# Altium PCB PCB1.PcbDoc
Units mm, origin at the board's own origin, x right, y up, seen from the top; angles counter-clockwise.
Board outline 189.3 x 96.6 mm, 2 copper layers (Top Layer, Bottom Layer), stack 1.569 mm thick; 62 components, 42 nets, 192 pads, 0 vias.
Unrouted connection lines stored in the file: 62.
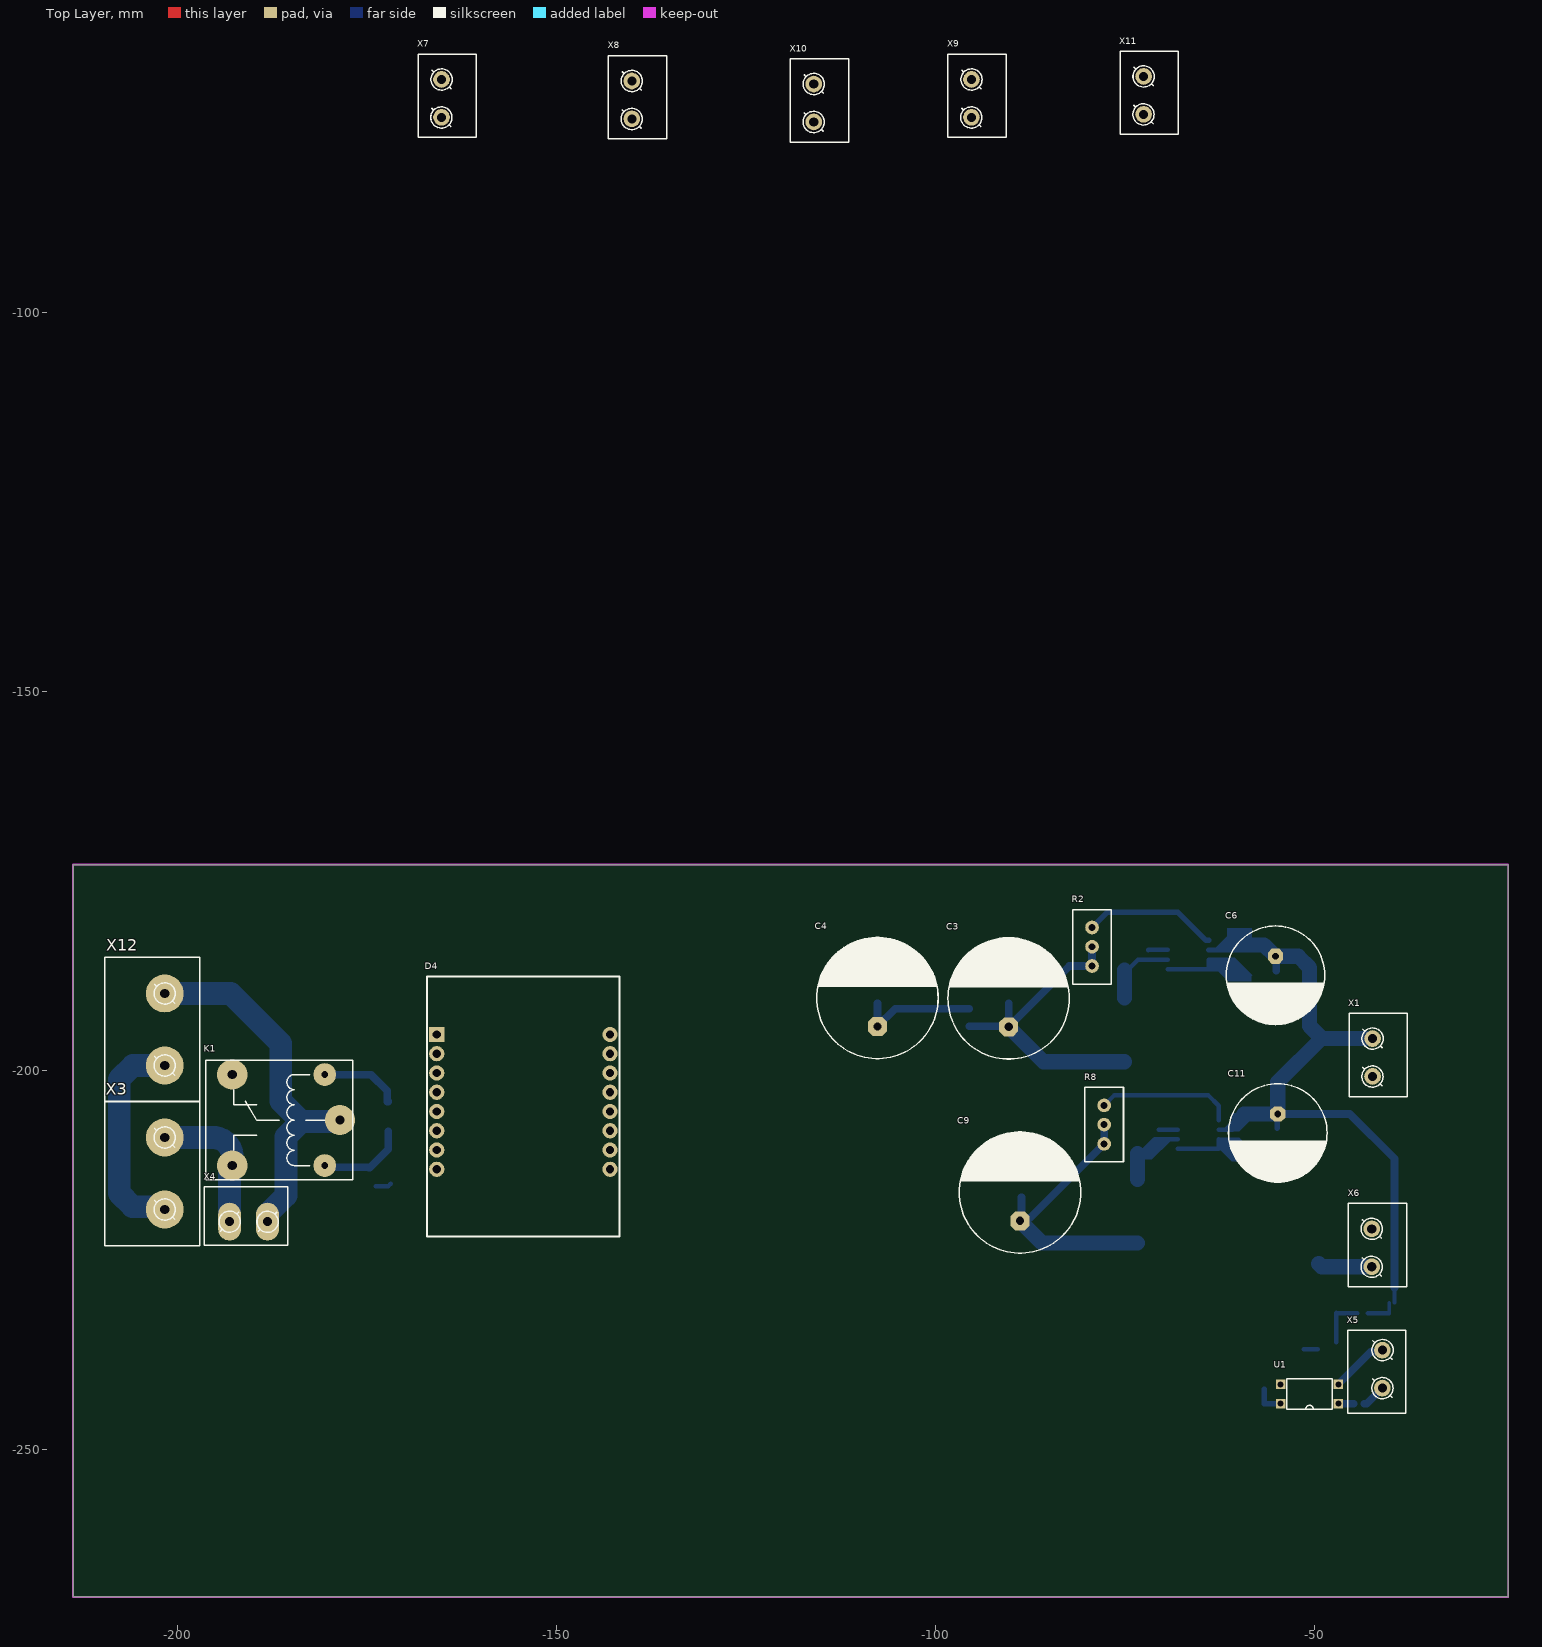
[diagram p0: Top Layer view]
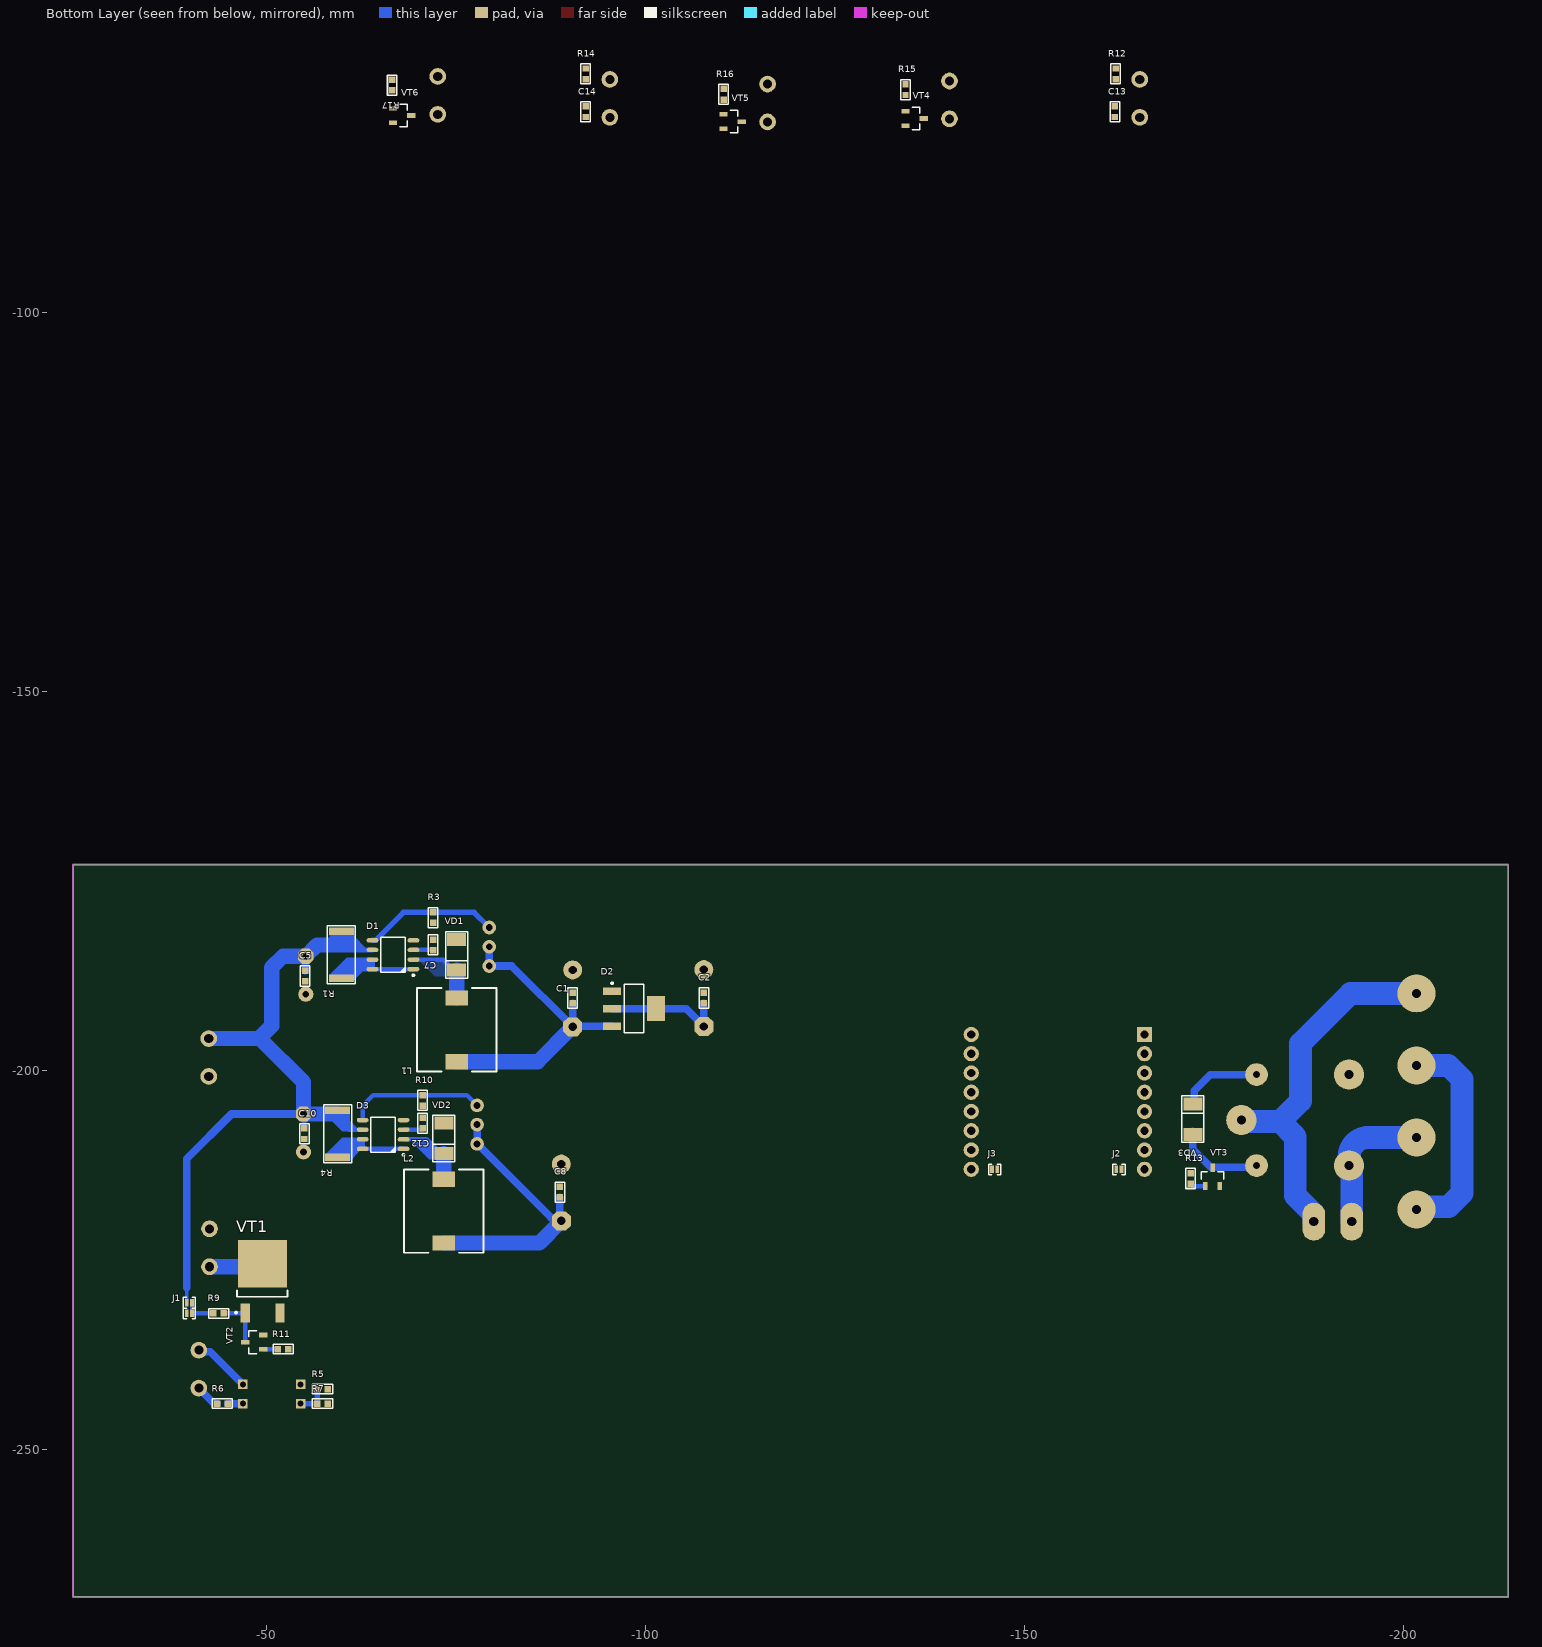
[diagram p1: Bottom Layer view, seen from below]

## Layer stack, top to bottom
Top Solder: solder mask 0.0254, SM-001, Dk 4
Top Layer: signal copper 0.035
Dielectric 1: core 1.4986, Core-043, Dk 4.3
Bottom Layer: signal copper 0.035
Bottom Solder: solder mask 0.0254, SM-001, Dk 4

## Board outline
-213.8,-269.4 -213.8,-172.8 -24.5,-172.8 -24.5,-269.4

## Design rules (kind name [scope] priority, off if disabled: settings)
BoardOutlineClearance [All] p1: gap=0.3 ignorepadtopadclearanceinfootprint=FALSE
Clearance Clearance_MultiLayerPad [OnLayer('Multi-Layer') and IsPad] p1: gap=0.3 ignorepadtopadclearanceinfootprint=FALSE except(0: Arc-Hole Track-Hole SMDPad-Hole THPad-Hole Via-Hole Fill-Hole Poly-Hole Region-Hole Text-Hole)
Clearance Clearance_Polygon [InPolygon] p2: gap=0.2 ignorepadtopadclearanceinfootprint=FALSE except(0: Arc-Hole Track-Hole SMDPad-Hole THPad-Hole Via-Hole Fill-Hole Poly-Hole Region-Hole Text-Hole; 0.3: Arc-Poly Arc-Region Track-Poly Track-Region SMDPad-Poly SMDPad-Region THPad-Poly THPad-Region Via-Poly Via-Region Fill-Poly Fill-Region Poly-Poly Poly-Region Region-Region)
Clearance [All] p3: gap=0.2 ignorepadtopadclearanceinfootprint=FALSE except(0: Arc-Hole Track-Hole SMDPad-Hole THPad-Hole Via-Hole Fill-Hole Poly-Hole Region-Hole Text-Hole)
ComponentClearance [All] p1: gap=0.5 collisioncheckmode=3 verticalgap=0.5 showdistances=FALSE
DiffPairsRouting [All] p1: maxlimit=0.4 minlimit=0.2 mostfreqgap=0.2 toplayer_minwidth=0.2 toplayer_maxwidth=0.3 toplayer_prefwidth=0.2 bottomlayer_minwidth=0.2 bottomlayer_maxwidth=0.3 bottomlayer_prefwidth=0.2 maxuncoupledlength=12.7
Height [All] p1: minheight=0 maxheight=50 prefheight=12.7
HoleSize [All] p1: absolutevalues=TRUE maxlimit=10 minlimit=0.2 maxpercent=80.000 minpercent=20.000
HoleToHoleClearance [All] p1: gap=0.3 allowstackedmicrovias=TRUE
MinimumSolderMaskSliver [All] p1: minsoldermaskwidth=0.2
PlaneClearance [All] p1: clearance=0.5
PlaneConnect [All] p1: planeconnectstyle=Relief reliefexpansion=0.5 reliefentries=4 reliefconductorwidth=0.5 reliefairgap=0.3
PolygonConnect PolygonConnect_PadGND [InNet('GND') and IsPad] p1: connectstyle=Relief reliefconductorwidth=0.5 reliefentries=4 polygonreliefangle="90 Angle" airgapwidth=0.3
PolygonConnect PolygonConnect_Via [IsVia] p2: connectstyle=Direct reliefconductorwidth=0.254 reliefentries=4 polygonreliefangle="90 Angle" airgapwidth=0.254
PolygonConnect [All] p3: connectstyle=Relief reliefconductorwidth=0.5 reliefentries=4 polygonreliefangle="90 Angle" airgapwidth=0.3
RoutingTopology [All] p1: topology=Vertical
RoutingVias [All] p1: holewidth=0.2 width=0.4 viastyle="Through Hole" minholewidth=0.2 minwidth=0.4 maxholewidth=0.5 maxwidth=1.2
SilkToSolderMaskClearance [IsPad] p1: minsilkscreentomaskgap=0.2 clearancetoexposedcopper=TRUE
SolderMaskExpansion [All] p1: expansion=0.075 istentingtop=FALSE
Width [All] p1: maxlimit=10 minlimit=0.2 preferedwidth=0.2
20 further rules are at their usual default settings.

## Components (designator, comment, footprint, x,y, rotation, side; value= is the part's Value field where it differs from the comment)
C1 "Ceramic capacitor, 0.1μF, X7R, ±10%, 50V, 0603, -55...+125°C" "CAP: 0603" -90.4,-190.4 r270 bottom value=0.1μF
C2 "Ceramic capacitor, 0.1μF, X7R, ±10%, 50V, 0603, -55...+125°C" "CAP: 0603" -107.7,-190.4 r270 bottom value=0.1μF
C3 "Aluminium capacitor, 10000μF, 10V, ±20%, 54mOhm, 16x31mm, -55...+105°C" "CAP: D16C7.5H31.5" -90.4,-190.45 r90 top value=10000μF
C4 "Aluminium capacitor, 10000μF, 10V, ±20%, 54mOhm, 16x31mm, -55...+105°C" "CAP: D16C7.5H31.5" -107.7,-190.4 r90 top value=10000μF
C5 "Ceramic capacitor, 0.1μF, X7R, ±10%, 50V, 0603, -55...+125°C" "CAP: 0603" -55.1,-187.5 r90 bottom value=0.1μF
C6 "Aluminium capacitor, 1000μF, 35V, ±20%, 54mOhm, 14x10x5 mm, -55...+105°C" "CAP: D13C5H20" -55.2,-187.4 r270 top value=1000μF
C7 "Ceramic capacitor, 300pF, X7R, ±10%, 50V, 0603, -55...+125°C" "CAP: 0603" -72,-183.4 r270 bottom value=300pF
C8 "Ceramic capacitor, 0.1μF, X7R, ±10%, 50V, 0603, -55...+125°C" "CAP: 0603" -88.7,-216 r270 bottom value=0.1μF
C9 "Aluminium capacitor, 10000μF, 10V, ±20%, 54mOhm, 16x31mm, -55...+105°C" "CAP: D16C7.5H31.5" -88.9,-216.05 r90 top value=10000μF
C10 "Ceramic capacitor, 0.1μF, X7R, ±10%, 50V, 0603, -55...+125°C" "CAP: 0603" -55,-208.3 r90 bottom value=0.1μF
C11 "Aluminium capacitor, 1000μF, 35V, ±20%, 54mOhm, 14x10x5 mm, -55...+105°C" "CAP: D13C5H20" -54.9,-208.2 r270 top value=1000μF
C12 "Ceramic capacitor, 300pF, X7R, ±10%, 50V, 0603, -55...+125°C" "CAP: 0603" -70.6,-206.9 r270 bottom value=300pF
C13 "Ceramic capacitor, 0.1μF, X7R, ±10%, 50V, 0603, -55...+125°C" "CAP: 0603" -161.9,-73.5 r90 bottom value=0.1μF
C14 "Ceramic capacitor, 0.1μF, X7R, ±10%, 50V, 0603, -55...+125°C" "CAP: 0603" -92.1,-73.5 r90 bottom value=0.1μF
D1 "DC TO DC CONVERTER, max supply 40V, Open drain, -40...+105°C, 8-SOIC" 8-SOIC -66.7,-184.7 r0 bottom
D2 "Linear voltage regulator, input 3.9...18V, 0.6V, output 3.3V, 1.2A, -40...+85°C, SOT223" SOT223 -98.5,-191.8 r180 bottom
D3 "DC TO DC CONVERTER, max supply 40V, Open drain, -40...+105°C, 8-SOIC" 8-SOIC -65.4,-208.4 r0 bottom
D4 "Wi-Fi module, 802.11 b/g/n, 8 bit, SDIO/SPI/UART, -40...+85°C, 21x16mm" "ESP8266MOD D1 mini" -154.4,-204.1 r0 top
J1 "" "CON: JUMPER x2" -39.85,-230.6 r0 bottom
J2 "" "CON: JUMPER x1" -162.8,-213 r0 bottom
J3 "" "CON: JUMPER x1" -145.7,-213 r180 bottom
K1 "Electromechanics relay, 3VDC, 250VAC, 10A, 1NO, -40...+85°C" "REL: SRD-03VDC" -186.6,-206.5 r0 top
L1 "Fixed inductor, 100μH, ±20%, CDRH101R, 3A, -40...+150°C" CDRH -75.1,-194.6 r90 bottom value=100μH
L2 "Fixed inductor, 100μH, ±20%, CDRH101R, 3A, -40...+150°C" CDRH -73.4,-218.5 r90 bottom value=100μH
R1 "Resistor film, 0.68R, ±5%, 2512, 1W, -55...+125°C" "RES: 2512" -59.9,-184.7 r270 bottom value=0.68R
R2 "Resistor film, 22k, ±10%, 3296W, 0.5W, -55...+125°C" "RES: 3296W" -79.4,-186.18 r90 top value=22k
R3 "Resistor film, 11K, ±5%, 0603, 0.1W, -55...+125°C" "RES: 0603" -72,-179.8 r90 bottom value=11K
R4 "Resistor film, 0.68R, ±5%, 2512, 1W, -55...+125°C" "RES: 2512" -59.4,-208.3 r270 bottom value=0.68R
R5 "Resistor film, 4,7K, ±5%, 0603, 0.1W, -55...+125°C" "RES: 0603" -57.4,-242 r180 bottom value=4,7K
R6 "Resistor film, 100R, ±5%, 0603, 0.1W, -55...+125°C" "RES: 0603" -44.2,-243.9 r180 bottom value=100R
R7 "Resistor film, 100R, ±5%, 0603, 0.1W, -55...+125°C" "RES: 0603" -57.4,-243.9 r0 bottom value=100R
R8 "Resistor film, ?, ±10%, 3296W, 0.5W, -55...+125°C" "RES: 3296W" -77.8,-209.64 r90 top value=?
R9 "Resistor film, 4,7K, ±5%, 0603, 0.1W, -55...+125°C" "RES: 0603" -43.7,-232 r0 bottom value=4,7K
R10 "Resistor film, ?, ±5%, 0603, 0.1W, -55...+125°C" "RES: 0603" -70.6,-203.9 r90 bottom value=?
R11 "Resistor film, 100R, ±5%, 0603, 0.1W, -55...+125°C" "RES: 0603" -52.2,-236.7 r180 bottom value=100R
R12 "Resistor film, 4,7K, ±5%, 0603, 0.1W, -55...+125°C" "RES: 0603" -162,-68.5 r90 bottom value=4,7K
R13 "Resistor film, 100R, ±5%, 0603, 0.1W, -55...+125°C" "RES: 0603" -171.9,-214.2 r90 bottom value=100R
R14 "Resistor film, 4,7K, ±5%, 0603, 0.1W, -55...+125°C" "RES: 0603" -92.1,-68.5 r90 bottom value=4,7K
R15 "Resistor film, 100R, ±5%, 0603, 0.1W, -55...+125°C" "RES: 0603" -134.3,-70.6 r90 bottom value=100R
R16 "Resistor film, 100R, ±5%, 0603, 0.1W, -55...+125°C" "RES: 0603" -110.3,-71.2 r90 bottom value=100R
R17 "Resistor film, 100R, ±5%, 0603, 0.1W, -55...+125°C" "RES: 0603" -66.6,-70 r90 bottom value=100R
U1 "IC optoisolator, 4µs/3µs, 5000Vrms, 35V, -40...+125°C, 4-SMD" 4-DIP -50.71,-242.63 r180 top
VD1 "Schottky diode, 50V, 1000mA, 1V, 15pF, SOD-123, -55...+150°C" "DIODE: SMA" -75.1,-184.7 r270 bottom
VD2 "Schottky diode, 50V, 1000mA, 1V, 15pF, SOD-123, -55...+150°C" "DIODE: SMA" -73.4,-208.9 r270 bottom
VD3 "Single diode, 75V, 150mA, 1V, 4ns, SOD-323, -55...+150°C" "DIODE: SMA" -172.2,-206.4 r90 bottom
VT1 "MOSFET N-channel transistor, 80V, 7A, 9.1nC, 2.5W, 34mOhm, 756pF, 8-TDSON, -55...+150°C" DPAK -49.5,-228.7 r90 bottom
VT2 "NPN transistor, 45V, 100mA, 100MHz, 300mW, 0.6V, 420, SOT-23, -55...+125°C" SOT23 -48.4,-235.8 r0 bottom
VT3 "NPN transistor, 45V, 100mA, 100MHz, 300mW, 0.6V, 420, SOT-23, -55...+125°C" SOT23 -174.8,-214 r90 bottom
VT4 "NPN transistor, 45V, 100mA, 100MHz, 300mW, 0.6V, 420, SOT-23, -55...+125°C" SOT23 -135.5,-74.4 r180 bottom
VT5 "NPN transistor, 45V, 100mA, 100MHz, 300mW, 0.6V, 420, SOT-23, -55...+125°C" SOT23 -111.5,-74.8 r180 bottom
VT6 "NPN transistor, 45V, 100mA, 100MHz, 300mW, 0.6V, 420, SOT-23, -55...+125°C" SOT23 -67.9,-74 r180 bottom
X1 "Terminal connector, 2pin, 3.5mm, 300VAC, 10A" "CON: DG301-5.0-02P-12-00AH"#1 -41.7,-197.9 r270 top
X3 "Terminal connector, 2pin, 3.5mm, 300VAC, 10A" "CON: DG950-9.5-02P" -202,-213.6 r270 top
X4 "Terminal connector, 2pin, 3.5mm, 300VAC, 10A" "CON: DG301-5.0-02P-12-00AH"#2 -191,-219.2 r0 top
X5 "Terminal connector, 2pin, 3.5mm, 300VAC, 10A" "CON: DG301-5.0-02P-12-00AH"#1 -41.8,-239.7 r90 top
X6 "Terminal connector, 2pin, 3.5mm, 300VAC, 10A" "CON: DG301-5.0-02P-12-00AH"#1 -41.8,-223 r270 top
X7 "Terminal connector, 2pin, 3.5mm, 300VAC, 10A" "CON: DG301-5.0-02P-12-00AH"#1 -164.5,-71.4 r270 top
X8 "Terminal connector, 2pin, 3.5mm, 300VAC, 10A" "CON: DG301-5.0-02P-12-00AH"#1 -139.4,-71.6 r270 top
X9 "Terminal connector, 2pin, 3.5mm, 300VAC, 10A" "CON: DG301-5.0-02P-12-00AH"#1 -94.6,-71.4 r270 top
X10 "Terminal connector, 2pin, 3.5mm, 300VAC, 10A" "CON: DG301-5.0-02P-12-00AH"#1 -115.4,-72 r270 top
X11 "Terminal connector, 2pin, 3.5mm, 300VAC, 10A" "CON: DG301-5.0-02P-12-00AH"#1 -71.9,-71 r270 top
X12 "Terminal connector, 2pin, 3.5mm, 300VAC, 10A" "CON: DG950-9.5-02P" -202,-194.6 r270 top

## Footprints (in the part's own frame and the unit in brackets; to place one, negate y for a bottom-side part, rotate by r counter-clockwise, add the part's x,y. Pads: shape width x height; smd on the part's side, far side on the other; paste and mask are expansions set on the pad)
4-DIP [mm]
  rect 1.25x1.25 hole 0.8: 1(-3.81,1.27) 2(-3.81,-1.27) 3(3.81,-1.27) 4(3.81,1.27)
  silkscreen extent -3,-2 3,2, body extent -4.58,-2.53 4.56,2.47, height 3.3
8-SOIC [mm] "pitch 1.27 mm"
  rrect100% 1.55x0.6 smd: 1(-2.7,1.905) 2(-2.7,0.635) 3(-2.7,-0.635) 4(-2.7,-1.905) 5(2.7,-1.905) 6(2.7,-0.635) 7(2.7,0.635) 8(2.7,1.905)
  round 0.7 on Mech1: 28(-2.395,1.8)
  silkscreen extent -2.82,-2.3 1.61,2.82, body extent -3,-2.45 3,2.45, height 1.75
"CAP: 0603" [mm]
  rect 0.85x0.85 smd: 1(-0.7,0) 2(0.7,0)
  silkscreen extent -1.33,-0.63 1.33,0.63, body extent -0.8,-0.4 0.8,0.4, height 0.3
"CAP: D13C5H20" [mm]
  oct 2x2 hole 0.9: 1(-2.5,0)
  round 2 hole 0.9: 2(2.5,0)
  silkscreen extent -6.5,-6.5 6.5,6.5, body extent -6.5,-6.5 6.5,6.5, height 25
"CAP: D16C7.5H31.5" [mm]
  oct 2.5x2.5 hole 1.1: 1(-3.75,0)
  round 2.5 hole 1.1: 2(3.75,0)
  silkscreen extent -8,-8 8,8, body extent -8.25,-8.25 8.25,8.25, height 33.5
CDRH [mm]
  rect 2x3 smd: 1(-4.2,0) 2(4.2,0)
  silkscreen extent -5.5,-5.25 5.5,5.25, body extent -5.05,-4.95 5.05,4.95, height 3.8
"CON: DG301-5.0-02P-12-00AH"#1 [mm] "Клемма винтовая 2пин 5мм."
  round 2.2 hole 1.2: 1(-2.15,-0.7) 2(2.85,-0.7)
  round 0.5 on Top Overlay: ""(-4.5,-3)
  silkscreen extent -5.5,-3.8 5.5,3.9, body extent -5.25,-3.8 5.35,3.8, height 10
"CON: DG301-5.0-02P-12-00AH"#2 [mm] "Клемма винтовая 2пин 5мм."
  oval 3x5 hole 1.2: 1(-2.15,-0.7) 2(2.85,-0.7)
  round 0.5 on Top Overlay: ""(-4.5,-3)
  silkscreen extent -5.5,-3.8 5.5,3.9, body extent -5.25,-3.8 5.35,3.8, height 10
"CON: DG950-9.5-02P" [mm]
  round 5 hole 1.2: 1(-4.8,0.3) 2(4.7,0.3)
  round 0.5 on Top Overlay: ""(-8.2,-6.2)
  silkscreen extent -9.6,-7.6 9.5,4.9, body extent -9.62,-7.6 10.02,4.9, height 21.65
"CON: JUMPER x1" [mm]
  rect 0.5x1 smd: 1(0,0) 2(0.7,0)
  silkscreen extent -0.45,-0.7 1.15,0.7
"CON: JUMPER x2" [mm]
  rect 0.5x1 smd: 1(-0.35,1.4) 2(0.35,1.4) 3(-0.35,0) 4(0.35,0)
  silkscreen extent -0.8,-0.7 0.8,2.1
"DIODE: SMA" [mm]
  rect 1.7x2.5 smd: 1(-2,0) 2(2,0)
  round 0.5 on Mech1: ""(2,0.9)
  silkscreen extent -3.05,-1.45 3.1,1.45, body extent -2.5,-1.35 2.5,1.35, height 2.28
DPAK [mm]
  rect 2.5x1.2 smd: 1(-3.25,2.29) 3(-3.25,-2.29)
  rect 6.25x6.5 smd: 2(3.25,0)
  round 0.5 on Mech1: ""(-3.2,2.9)
  silkscreen extent -3.32,-3.3 -0.3,3.63, body extent -3.8,-3.32 6.3,3.42, height 2.37
"ESP8266MOD D1 mini" [mm] "module"
  rect 2x2 hole 1.1: 1(-11.43,8.89)
  round 2 hole 1.1: 2(-11.43,6.35) 3(-11.43,3.81) 4(-11.43,1.27) 5(-11.43,-1.27) 6(-11.43,-3.81) 7(-11.43,-6.35) 8(-11.43,-8.89) 9(11.43,-8.89) 10(11.43,-6.35) 11(11.43,-3.81) 12(11.43,-1.27) 13(11.43,1.27) 14(11.43,3.81) 15(11.43,6.35) 16(11.43,8.89)
  silkscreen extent -12.7,-17.78 12.7,16.51, body extent -13,-17.74 12.95,16.51, height 7.94
"REL: SRD-03VDC" [mm]
  round 3 hole 0.9: 1(6,-6) 2(6,6)
  round 4 hole 1.2: 3(8,0) 4(-6.2,6) 5(-6.2,-6)
  silkscreen extent -9.7,-7.9 9.7,7.9, body extent -9.6,-7.8 9.6,7.8, height 15.8
"RES: 0603" [mm]
  rect 0.85x0.85 smd: 1(-0.7,0) 2(0.7,0)
  silkscreen extent -1.33,-0.63 1.33,0.63, body extent -0.8,-0.4 0.8,0.4, height 0.44
"RES: 2512" [mm]
  rect 1x3.3 smd: 1(-3.1,0) 2(3.1,0)
  silkscreen extent -3.8,-1.85 3.8,1.85, body extent -3.17,-1.6 3.18,1.6, height 0.52
"RES: 3296W" [mm]
  round 1.8 hole 0.9: 1(0,0) 2(2.54,0) 3(5.08,0)
  round 0.5 on Top Overlay: ""(-2.85,2.325)
  silkscreen extent -2.37,-2.55 7.45,2.55, body extent -2.22,-2.4 7.31,2.4, height 11.55
SOT23 [mm]
  rect 1.1x0.6 smd: 1(-1.2,0.95) 2(-1.2,-0.95) 3(1.2,0)
  round 0.5 on Mech1: ""(-0.9,1.1)
  silkscreen extent -0.3,-1.5 0.7,1.5, body extent -1.32,-1.52 1.32,1.52, height 1.12
SOT223 [mm] "SOT223, 4-Leads, Body 6,50x7,00mm (avg), Pitch 2,30mm, IPC Medium Density"
  rect 2.4x1 smd: 1(-2.9,2.3) 2(-2.9,0) 3(-2.9,-2.3)
  rect 2.4x3.3 smd: 4(2.9,0)
  round 0.5 on Mech1: ""(-3,2.7)
  silkscreen extent -3.03,-3.2 1.3,3.47, body extent -3.48,-3.25 3.48,3.25, height 1.65

## Part data
C1 C2 C5 C8 C10 C13 C14: library part Ceramic_0603, Manufacturer=Yageo, Package=0603, PartNumber=CC0603KRX7R7BB104, Temperature=-55...+125°C, Tolerance=±10%, TypeCapacitor="Ceramic capacitor", TypeDielectric=X7R, Voltage=50V, HelpURL=https://www.digikey.com/product-detail/en/yageo/CC0603KRX7R7BB104/311-1088-1-ND/302998, ValueManufacturerPartNumber="Ceramic capacitor, 0.1μF, X7R, ±10%, 50V, 0603, -55...+125°C"
C3 C4 C9: library part Aluminium, Manufacturer=Wurth, Package=16x31mm, PartNumber=860080475013, Temperature=-55...+105°C, Tolerance=±20%, TypeCapacitor="Aluminium capacitor", Voltage=10V, HelpURL=https://www.digikey.com/product-detail/en/wurth-electronics-inc/860080475013/732-9029-1-ND/5728972, Impedance=54mOhm, ValueManufacturerPartNumber="Aluminium capacitor, 10000μF, 10V, ±20%, 54mOhm, 16x31mm, -55...+105°C"
C6 C11: library part Aluminium, Manufacturer=Wurth, Package="14x10x5 mm", PartNumber=860080475013, Temperature=-55...+105°C, Tolerance=±20%, TypeCapacitor="Aluminium capacitor", Voltage=35V, HelpURL=https://www.digikey.com/product-detail/en/wurth-electronics-inc/860080475013/732-9029-1-ND/5728972, Impedance=54mOhm, ValueManufacturerPartNumber="Aluminium capacitor, 1000μF, 35V, ±20%, 54mOhm, 14x10x5 mm, -55...+105°C"
C7 C12: library part Ceramic_0603, Manufacturer=Samsung, Package=0603, PartNumber=01584, Temperature=-55...+125°C, Tolerance=±10%, TypeCapacitor="Ceramic capacitor", TypeDielectric=X7R, Voltage=50V, HelpURL=https://belchip.by/product/?selected_product=01584, ValueManufacturerPartNumber="Ceramic capacitor, 300pF, X7R, ±10%, 50V, 0603, -55...+125°C"
D1 D3: library part MC34063, "DC TO DC CONVERTER / CONTROLLER", Manufacturer=UTC, Package=8-SOIC, Temperature=-40...+105°C, VoltageInput="max supply 40V", ComponentType="DC TO DC CONVERTER", HelpURL=https://belchip.by/product/?selected_product=18919, OutputType="Open drain", PartNumber=MC34063, ValueManufacturerPartNumber="DC TO DC CONVERTER, max supply 40V, Open drain, -40...+105°C, 8-SOIC"
D2: library part LDL1117S33R, "Linear voltage regulator", CurrentOutput=1.2A, Manufacturer=STMicroelectronics, Package=SOT223, Temperature=-40...+85°C, VoltageInput="input 3.9...18V", VoltageOutput="output 3.3V", ComponentType="Linear voltage regulator", HelpURL=https://www.digikey.com/product-detail/en/stmicroelectronics/LDL1117S33R/497-17239-1-ND/7102079, MaxDropout=0.6V, PartNumber=LDL1117S33R, ValueManufacturerPartNumber="Linear voltage regulator, input 3.9...18V, 0.6V, output 3.3V, 1.2A, -40...+85°C, SOT223"
D4: library part "ESP8266MOD D1 mini", "module", Manufacturer="Espressif Systems", Package=21x16mm, PartNumber=ESP-07, Temperature=-40...+85°C, ComponentType="Wi-Fi module", Core="8 bit", HelpURL=https://www.chipdip.ru/product/esp-07, TypeInterface=SDIO/SPI/UART, TypeStandart="802.11 b/g/n", ValueManufacturerPartNumber="Wi-Fi module, 802.11 b/g/n, 8 bit, SDIO/SPI/UART, -40...+85°C, 21x16mm"
J1: library part Jumper_double, CommentText="\"Перемычка\""
J2 J3: library part Jumper_single, CommentText="\"Перемычка\""
K1: library part Relay_SRD-03VDC, Manufacturer="Ningbo Songle", MaxCurrent=10A, Package=1NO, PartNumber=SRD-03VDC, Temperature=-40...+85°C, VoltageControlCoil=3VDC, VoltageMax=250VAC, HelpURL=https://lcsc.com/product-detail/Relays_SRD-03VDC-SL-C_C24585.html, TypeRelay="Electromechanics relay", ValueManufacturerPartNumber="Electromechanics relay, 3VDC, 250VAC, 10A, 1NO, -40...+85°C"
L1 L2: library part Inductor_CDRH, Manufacturer=Bourns, MaxCurrent=3A, Package=CDRH101R, PartNumber=CDRH, Temperature=-40...+150°C, Tolerance=±20%, TypeInductor="Fixed inductor", HelpURL=https://aliexpress.ru/item/32956142172.html?spm=a2g0s.9042311.0.0.f06533edih9Buf, ValueManufacturerPartNumber="Fixed inductor, 100μH, ±20%, CDRH101R, 3A, -40...+150°C"
R1 R4: library part Resistor_2512, Manufacturer=Yageo, Package=2512, PartNumber=RC2512JK-07100RL, Power=1W, Temperature=-55...+125°C, Tolerance=±5%, TypeResistor="Resistor film", HelpURL=https://www.digikey.com/product-detail/en/yageo/RC2512JK-07100RL/YAG3393CT-ND/5962215, ValueManufacturerPartNumber="Resistor film, 0.68R, ±5%, 2512, 1W, -55...+125°C"
R2 R8: library part Trimmer, Manufacturer=Bourns, Package=3296W, PartNumber=3296W-1-103LF, Power=0.5W, Temperature=-55...+125°C, Tolerance=±10%, TypeResistor="Resistor film", HelpURL=https://www.digikey.com/product-detail/en/bourns-inc/3296W-1-103LF/3296W-103LF-ND/1088045
  R2: ValueManufacturerPartNumber="Resistor film, 22k, ±10%, 3296W, 0.5W, -55...+125°C"
  R8: ValueManufacturerPartNumber="Resistor film, ?, ±10%, 3296W, 0.5W, -55...+125°C"
R3 R5 R6 R7 R9 R10 R11 R12 R13 R14 R15 R16 R17: library part Resistor_0603, Manufacturer=Yageo, Package=0603, PartNumber=RC0603JR-07100RL, Power=0.1W, Temperature=-55...+125°C, Tolerance=±5%, TypeResistor="Resistor film", HelpURL=https://www.digikey.com/product-detail/en/yageo/RC0603JR-07100RL/311-100GRCT-ND/729644
  R3: ValueManufacturerPartNumber="Resistor film, 11K, ±5%, 0603, 0.1W, -55...+125°C"
  R5 R9 R12 R14: ValueManufacturerPartNumber="Resistor film, 4,7K, ±5%, 0603, 0.1W, -55...+125°C"
  R6 R7 R11 R13 R15 R16 R17: ValueManufacturerPartNumber="Resistor film, 100R, ±5%, 0603, 0.1W, -55...+125°C"
  R10: ValueManufacturerPartNumber="Resistor film, ?, ±5%, 0603, 0.1W, -55...+125°C"
U1: library part LTV-817, "Optoisolator", Manufacturer=Lite-On, Package=4-SMD, PartNumber=LTV-817S, Temperature=-40...+125°C, ComponentType="IC optoisolator", DataRate=4µs/3µs, HelpURL=https://www.digikey.com/product-detail/en/lite-on-inc/LTV-817S/160-1367-5-ND/385837, Isolation=5000Vrms, Supply=35V, ValueManufacturerPartNumber="IC optoisolator, 4µs/3µs, 5000Vrms, 35V, -40...+125°C, 4-SMD"
VD1 VD2: library part Schottky_single, Current=1000mA, Manufacturer="Diodes Incorporated", Package=SOD-123, PartNumber=M1, Temperature=-55...+150°C, Voltage=50V, VoltageDrop=1V, HelpURL=https://www.chipdip.by/product/m1-diod?from=suggest_product, RecoveryTime=15pF, TypeDiode="Schottky diode", ValueManufacturerPartNumber="Schottky diode, 50V, 1000mA, 1V, 15pF, SOD-123, -55...+150°C"
VD3: library part Diode_single, Current=150mA, Manufacturer="Micro Commercial", Package=SOD-323, PartNumber=1N4148WX-TP, Temperature=-55...+150°C, Voltage=75V, VoltageDrop=1V, HelpURL=https://www.digikey.com/product-detail/en/micro-commercial-co/1N4148WX-TP/1N4148WXTPMSCT-ND/717312, RecoveryTime=4ns, TypeDiode="Single diode", ValueManufacturerPartNumber="Single diode, 75V, 150mA, 1V, 4ns, SOD-323, -55...+150°C"
VT1: library part MOSFET_N_123, CurrentDS=7A, InputCapacitor=756pF, Manufacturer="Infineon Technologies", MaxPower=2.5W, Package=8-TDSON, PartNumber=BSC340N08NS3GATMA1, Temperature=-55...+150°C, VoltageDS=80V, GateCharge=9.1nC, HelpURL=https://www.digikey.com/product-detail/en/infineon-technologies/BSC340N08NS3GATMA1/BSC340N08NS3GATMA1TR-ND/2080655, RDS=34mOhm, TypeTransistor="MOSFET N-channel transistor", ValueManufacturerPartNumber="MOSFET N-channel transistor, 80V, 7A, 9.1nC, 2.5W, 34mOhm, 756pF, 8-TDSON, -55...+150°C"
VT2 VT3 VT4 VT5 VT6: library part BJT_NPN_132, CurrentCE=100mA, CurrentGain=420, Frequency=100MHz, Manufacturer="ON Semiconductor", MaxPower=300mW, Package=SOT-23, PartNumber=BC847CLT1G, Temperature=-55...+125°C, VoltageCE=45V, VoltageSaturation=0.6V, HelpURL=https://www.digikey.com/product-detail/en/on-semiconductor/BC847CLT1G/BC847CLT1GOSCT-ND/917836, TypeTransistor="NPN transistor", ValueManufacturerPartNumber="NPN transistor, 45V, 100mA, 100MHz, 300mW, 0.6V, 420, SOT-23, -55...+125°C"
X1 X3 X4 X5 X6 X7 X8 X9 X10 X11 X12: library part Connector_terminal_2pin, CurrentMax=10A, Manufacturer=Degson, PartNumber=DG350-3.5-02P-14, VoltageMax=300VAC, HelpURL=https://www.chipdip.ru/product/dg350-3.5-02p-12, Multichannel=2pin, Pitch=3.5mm, TypeConnector="Terminal connector", ValueManufacturerPartNumber="Terminal connector, 2pin, 3.5mm, 300VAC, 10A"
  X1: CommentText="\"Разъем 12В от принтера\""
  X3: CommentText="\"Разъем сетевого напряжения\""
  X4: CommentText="\"Разъем кнопки Старт\""
  X5: CommentText="\"Разъем от концевика\""
  X6: CommentText="\"Разъём светодиодов подсветки\""
  X7: CommentText="\"Разъём кнопки включения подсветки\""
  X8: CommentText="\"Разъём подсветки кнопки Старт\""
  X9: CommentText="\"Разъём кнопки включения триггера\""
  X10: CommentText="\"Разъём подвсетки кнопки\""
  X11: CommentText="\"Разъём подсветки кнопки Триггер\""
  X12: CommentText="\"Разъем питания принтера\""

## Nets (pads, with @x,y where several pads share a name; then routed paths per layer and width w, separated by ;. In a path a pad name is that pad's centre, name@x,y a point inside that pad or via, vN(x,y) a via of type N, cw(c..) or ccw(c..) an arc to the next point about the centre after c; other vN are vias at no path point)
+3.3: C2.2 C4.1 D2.2 D2.4 J2.2 R5.2 R12.2 R14.2 | length 16.1
  Bottom Layer w1: C2.2 C4.1 -105.35,-191.8 D2.4 D2.2
+5: C1.2 C3.1 D2.3 J1.2 J3.2 K1.2 L1.1 R2.1 R2.2 VD3.2 X8.1 X10.1 X11.1 | length 53.1
  Bottom Layer w1: K1.2 -174.5,-200.5 -172.364,-202.636 -172.364,-204.05 VD3.2@-172.2,-204.05 ; D2.3 -90.5,-194.1 C3.1 ; C1.2 C3.1 ; R2.2 R2.1 -82.38,-186.18 C3.1
  Bottom Layer w2: C3.1 -85.8,-198.8 L1.1
+12: C5.2 C6.1 C10.2 C11.1 D1.6 D3.6 J1.4 R1.1 R4.1 X1.1 | length 99
  Bottom Layer w0.5: J1.4 -39.5,-228.6
  Bottom Layer w0.6: D3.6 -60.865,-207.765 -59.4,-206.3 -59.4,-205.75 R4.1
  Bottom Layer w0.7: D1.6 -59.265,-184.065 -58.8,-183.6 -58.8,-183.4 -58.8,-181.75 -58.95,-181.6 R1.1 ; C10.2 -54.95,-207.55 -54.95,-205.75 C11.1
  Bottom Layer w1: C6.1 -55.1,-185 C5.2 ; C11.1 -45.4,-205.7 -39.5,-211.6 -39.5,-228.6
  Bottom Layer w2: -60.7,-183.4 -58.8,-183.4 -56.7,-183.4 C6.1 -52.2,-184.9 -50.7,-186.4 -50.7,-194.1 -49.05,-195.75 X1.1 ; -59.4,-205.75 -59.35,-205.7 C11.1 -54.9,-201.5 -49.1,-195.7
+LED: C8.2 C9.1 L2.1 R8.1 R8.2 X6.1 | length 37.4
  Bottom Layer w1: C9.1 C9.1@-88.7,-219.6 ; C8.2 C9.1@-88.7,-219.6 ; R8.2 R8.1 -87.542,-219.382 -88.482,-219.382 C9.1@-88.7,-219.6
  Bottom Layer w2: C9.1 -86,-222.7 L2.1
GND: C1.1 C2.1 C3.2 C4.2 C5.1 C6.2 C7.1 C8.1 C9.2 C10.1 C11.2 C12.1 C13.1 C14.1 D1.4 D2.1 D3.4 D4.10 R3.1 R10.1 U1.3 VD1.1 VD2.1 VT1.3 VT2.2 VT3.2 VT4.2 VT5.2 VT6.2 X1.2 X7.2 X9.2
NetC7_2: C7.2 D1.3 | length 2.6
  Bottom Layer w0.6: C7.2 -71.965,-184.065 D1.3
NetC12_2: C12.2 D3.3 | length 2.5
  Bottom Layer w0.6: C12.2@-70.583,-207.783 -68.118,-207.783 D3.3
NetC13_2: C13.2 D4.6 R12.1 X7.1
NetC14_2: C14.2 D4.11 R14.1 X9.1
NetD1_1: D1.1 D1.7 D1.8 R1.2 | length 11.3
  Bottom Layer w0.6: D1.1 D1.8 ; D1.7 D1.8 ; R1.2 -61.05,-187.8 -62.245,-186.605 D1.8
NetD1_2: D1.2 L1.2 VD1.2 | length 10
  Bottom Layer w0.6: VD1.2 -74.7,-186.7 -73.335,-185.335 D1.2
  Bottom Layer w2: L1.2 VD1.2
NetD1_5: D1.5 R2.3 R3.2 | length 17.8
  Bottom Layer w0.7: R2.3 -77.4,-179.1 R3.2 -68.07,-179.1 -64.375,-182.795 D1.5
NetD3_1: D3.1 D3.7 D3.8 R4.2 | length 6.7
  Bottom Layer w0.6: D3.1 D3.8 D3.7
NetD3_2: D3.2 L2.2 VD2.2 | length 9.5
  Bottom Layer w0.6: VD2.2 -73,-210.9 -71.135,-209.035 D3.2
  Bottom Layer w2: L2.2 VD2.2
NetD3_5: D3.5 R8.3 R10.2 | length 18.1
  Bottom Layer w0.6: R8.3 -76.44,-203.2 R10.2 -64.1,-203.2 -62.7,-204.6 D3.5
NetD4_4: D4.4 R13.2
NetD4_5: D4.5 R7.1
NetD4_7: D4.7 R11.2
NetD4_8: D4.8 J2.1
NetD4_9: D4.9 J3.1
NetD4_12: D4.12 R17.2
NetD4_13: D4.13 R16.2
NetD4_14: D4.14 R15.2
NetJ1_1: J1.1 J1.3 R9.2 | length 4.1
  Bottom Layer w0.5: J1.1 J1.3
  Bottom Layer w0.6: R9.2 J1.1@-40.25,-232
NetK1_1: K1.1 VD3.1 VT3.3 | length 11.9
  Bottom Layer w1: K1.1 -180.35,-212.75 -174.85,-212.75 VT3.3 -174.65,-212.8 -172.2,-210.35 VD3.1@-172.2,-208
NetK1_3: K1.3 X4.2 X12.1 | length 49.7
  Bottom Layer w3: X12.1 -193,-189.8 -186.4,-196.4 -186.4,-203.983 -183.691,-206.691 ; X4.2 -188.15,-218.9 -185.7,-216.45 -185.7,-208.7 -183.691,-206.691 ; K1.3 -178.791,-206.691 -183.691,-206.691
NetK1_5: K1.5 X3.1 X4.1 | length 19.1
  Bottom Layer w3: X3.1 -195.34,-208.8 cw(c-195.34,-211.34) -192.8,-211.34 K1.5 ccw(c-192.8,-212.85) -193.15,-212.85 X4.1
NetR5_1: R5.1 R7.2 U1.4 | length 4.1
  Bottom Layer w0.7: R5.1 R7.2 U1.4
NetR6_1: R6.1 X5.1 | length 3.2
  Bottom Layer w1: R6.1 -43.15,-243.9 X5.1
NetR6_2: R6.2 U1.1 | length 2
  Bottom Layer w1: U1.1 R6.2
NetR9_1: R9.1 VT1.1 VT2.3 | length 6.7
  Bottom Layer w0.6: VT1.1 VT1.1@-47.205,-231.955 ; VT2.3 -47.205,-235.8 VT1.1@-47.205,-231.955 ; R9.1 -47.16,-232 VT1.1@-47.205,-231.955
NetR11_1: R11.1 VT2.1 | length 1.9
  Bottom Layer w0.6: R11.1 -51.45,-236.75 VT2.1
NetR13_1: R13.1 VT3.1 | length 2.1
  Bottom Layer w0.6: VT3.1 -172.2,-215.2 R13.1
NetR15_1: R15.1 VT4.1
NetR16_1: R16.1 VT5.1
NetR17_1: R17.1 VT6.1
NetU1_2: U1.2 X5.2 | length 7.7
  Bottom Layer w1: U1.2 -42.62,-237.08 -41.33,-237.08 X5.2
NetVT1_2: VT1.2 X6.2 | length 7.2
  Bottom Layer w2: VT1.2 -49.1,-225.85 X6.2
NetVT4_3: VT4.3 X8.2
NetVT5_3: VT5.3 X10.2
NetVT6_3: VT6.3 X11.2
NetX3_2: X3.2 X12.2 | length 28.7
  Bottom Layer w3: X3.2 -202.083,-217.917 -205.943,-217.917 -207.7,-216.16 -207.7,-201.1 -205.9,-199.3 X12.2
pads on no net: D1.28 D2. D3.28 D4.1 D4.2 D4.3 D4.15 D4.16 K1.4 R2. R8. VD1. VD2. VD3. VT1. VT2. VT3. VT4. VT5. VT6. X1. X3. X4. X5. X6. X7. X8. X9. X10. X11. X12.

## Polygon pours and split planes (outlines as drawn)
NetD1_2 on Bottom Layer "GND_TOP_2" (solid, pour order 0): -72.2,-187.5 -70.2,-185.5 -70.365,-185.335 -73.335,-185.335 -73.335,-185.535 -75.3,-187.5
no net on Bottom Layer "GND_TOP_2" (solid, pour order 2): -147.1,-207.6

## Keep-outs
Keep-Out Layer:
  the board outline again, w0.25

## Other copper
Bottom Layer:
  region net +12: -58.3,-181.2 -61.6,-181.2 -61.6,-184.4 -58.3,-184.4
  region net NetD3_2: -69.1,-209.3 -71.5,-211.7 -73.5,-211.7 -73.5,-211.4 -71.135,-209.035
  region net +12: -57.8,-205.6 -57.8,-205.8 -60,-208 -61.9,-208 -61.9,-207.5 -61,-206.6 -61,-205.6
  region: -64.1,-213.2
  region net NetD3_1: -62.5,-208.8 -62.4,-208.9 -62.4,-210.5 -61,-211.9 -57.8,-211.9 -57.8,-211 -60,-208.8
  region net +12: -61.6,-181.2
  region: -62.3,-181.6
  region net +12: -61.5,-182.2 -63.2,-183.9 -63.1,-184 -60.8,-184
  region net NetD1_1: -64,-185.1 -60.6,-185.1 -58.3,-187.4 -58.4,-187.5 -58.4,-188.2 -61.4,-188.2 -62.995,-186.605 -64,-186.605